# KiCad board BGA_Steuerung_4layer.kicad_pcb
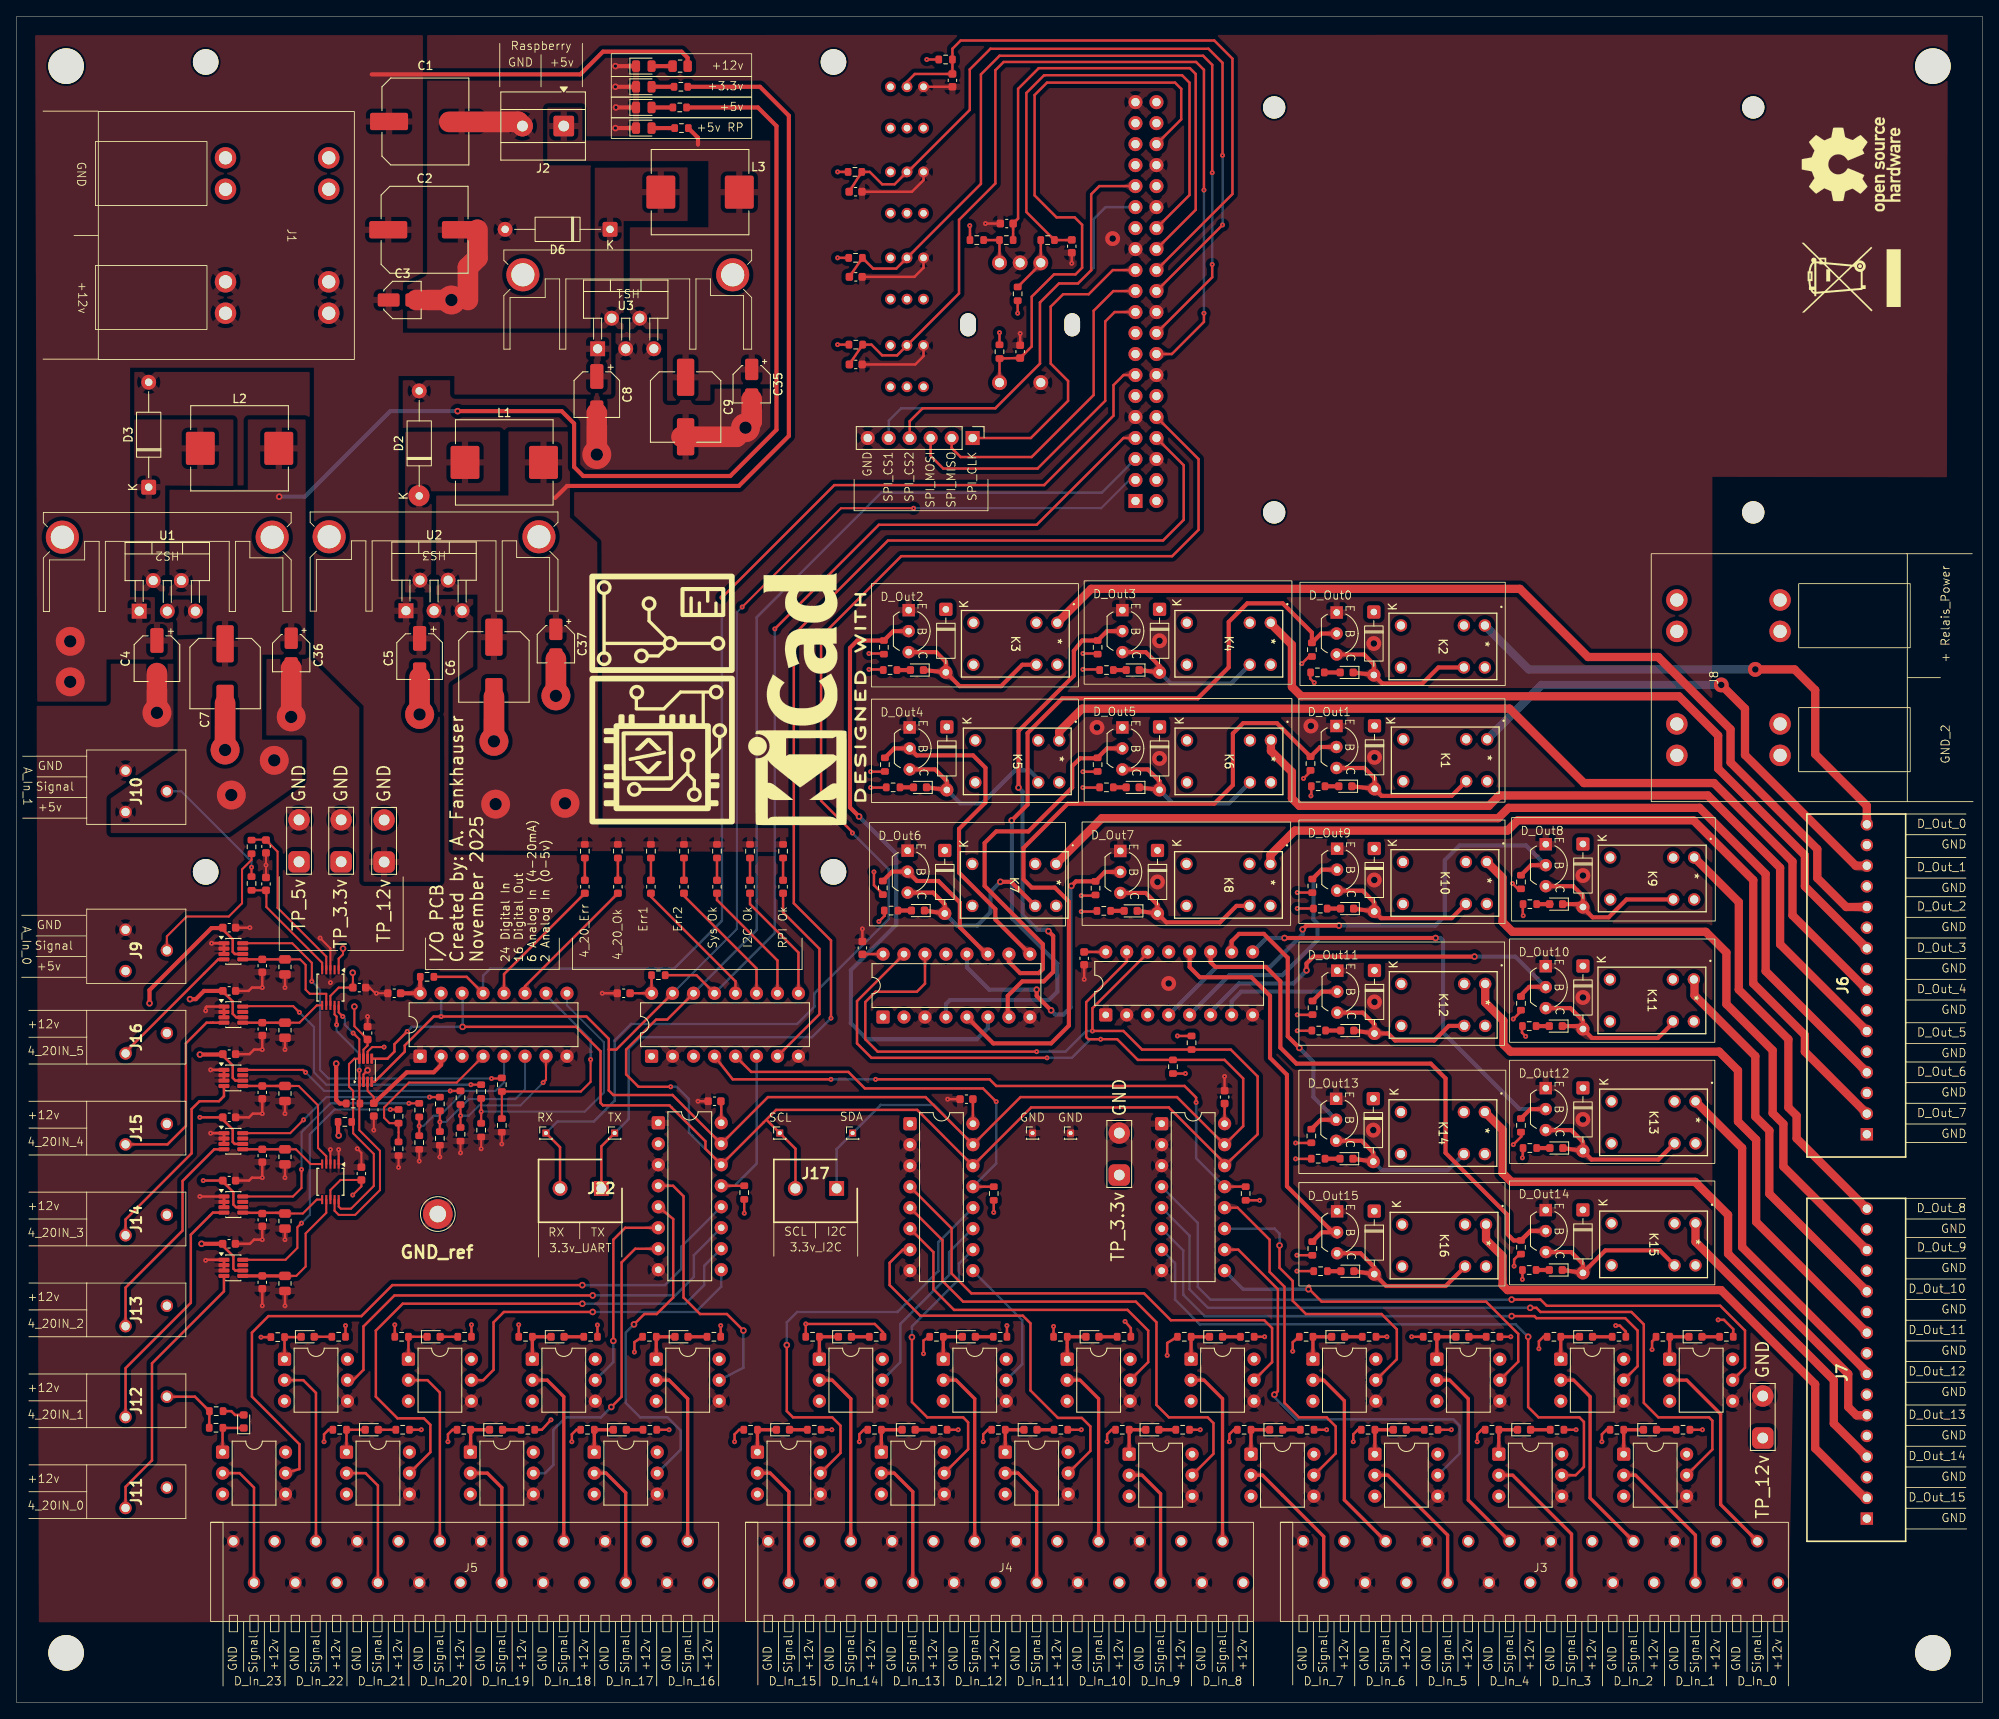
[diagram p0: board, top side]
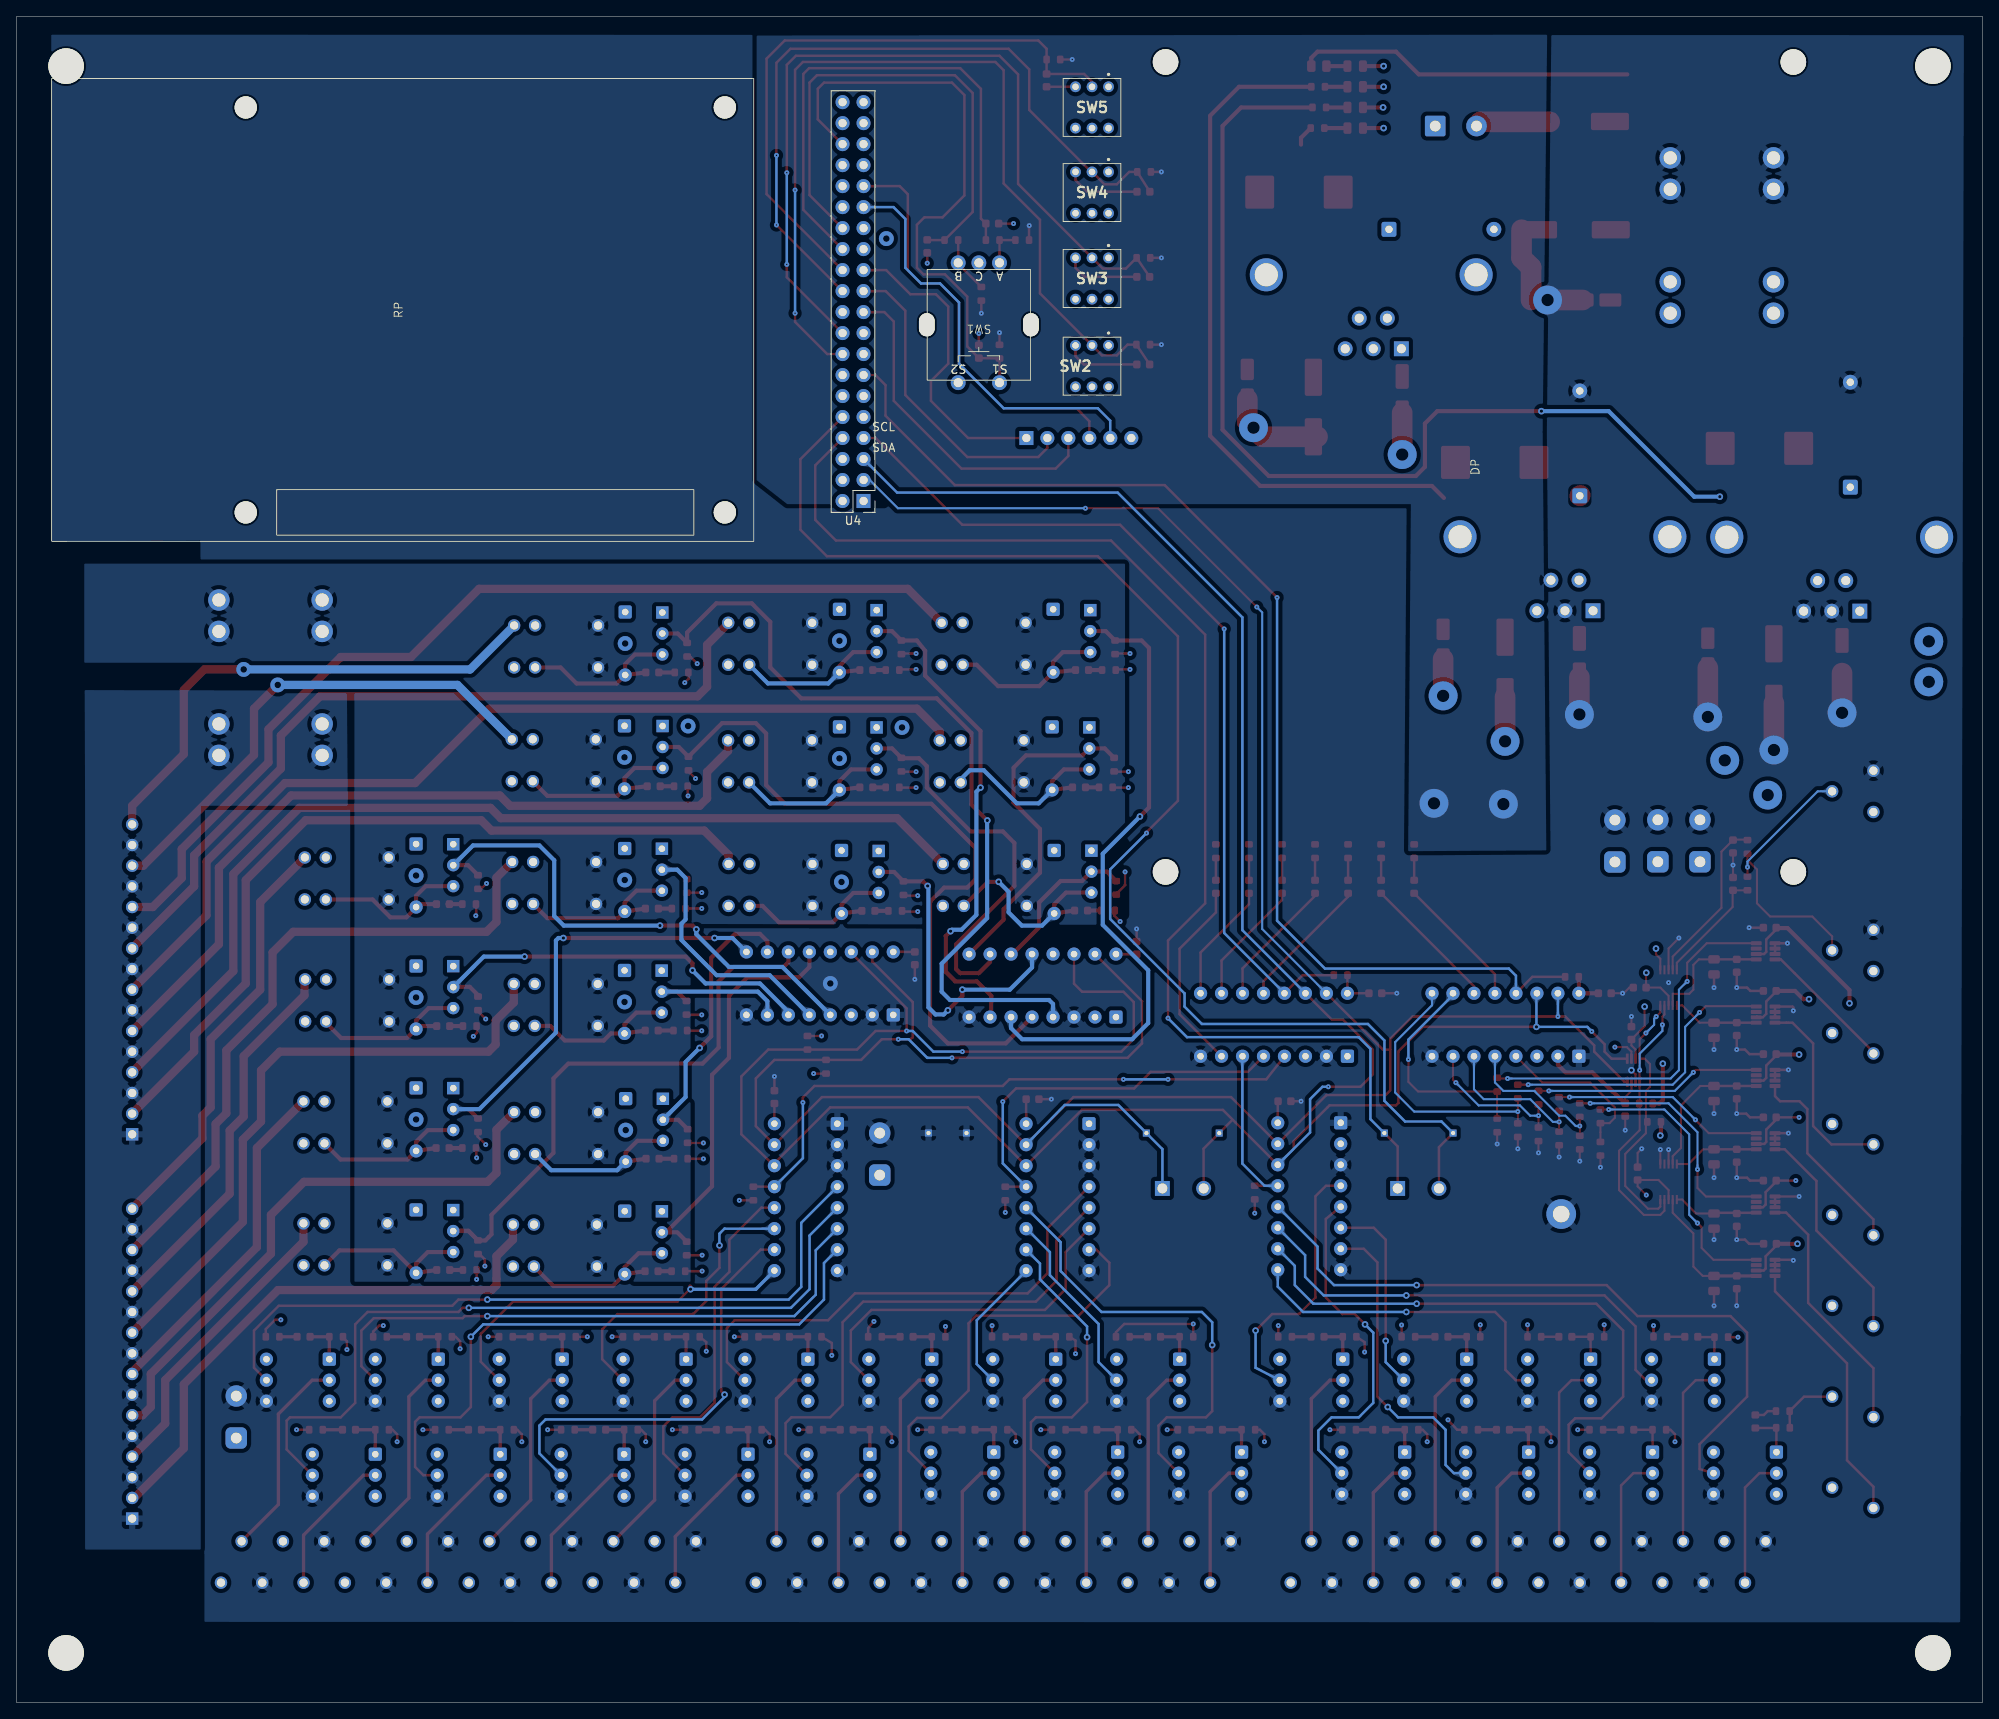
[diagram p1: board, bottom side, seen from below]

Outline 238 x 204 mm; copper layers: Top, In1.Cu, In2.Cu, Bottom. Coordinates in mm from the lower left corner of the outline.
Outline path: rectangle 0,204 238,0
Stack: Top 0.035mm / dielectric 0.01mm FR4 er 4.5 / In1.Cu 0.035mm / dielectric 0.01mm FR4 er 4.5 / In2.Cu 0.035mm / dielectric 0.01mm FR4 er 4.5 / Bottom 0.035mm

## Placement (name value [footprint] x y rotation side)
C1  470uF  [C_Elec_10x10.2]  49.5 191.3 0 top
C2  470uF  [C_Elec_10x10.2]  49.4 178.2 0 top
C3  10uF  [C_Elec_4x5.4]  46.72 169.7 0 top
C4  680uF  [CP_Elec_5x5.4]  17 126.3 270 top
C5  680uF  [CP_Elec_5x5.4]  48.8 126.55 270 top
C6  220uF  [C_Elec_8x10.2]  57.8 125.3 270 top
C7  220uF  [C_Elec_8x10.2]  25.25 124.5 270 top
C8  680uF  [CP_Elec_5x5.4]  70.25 158.25 270 top
C9  220uF  [C_Elec_8x10.2]  81 156.75 270 top
C10  0.1uF  [C_0603_1608Metric]  146.25 73.25 90 top
C11  0.1uF  [C_0603_1608Metric]  115 73 180 top
C12  0.1uF  [C_0603_1608Metric]  84.5 72.75 180 top
C13  0.1uF  [C_0603_1608Metric]  102.4 91.3 90 top
C14  0.1uF  [C_0603_1608Metric]  129.25 90.04 270 top
C15  0.1uF  [C_0603_1608Metric]  73.5 85.81 180 top
C16  0.1uf  [C_0603_1608Metric]  43.25 71.72 90 top
C17  0.1uf  [C_0603_1608Metric]  42.5 81 270 top
C18  0.1uf  [C_0603_1608Metric]  41.5 86.5 180 top
C19  0.1uf  [C_0603_1608Metric]  41.75 64 270 top
C20  0.1uf  [C_0603_1608Metric]  30.2 103.57 90 top
C21  0.1uf  [C_0603_1608Metric]  30.2 99.05 270 top
C22  0.1uf  [C_0603_1608Metric]  29.75 50.84 90 top
C23  0.1uf  [C_0603_1608Metric]  25.73 55.5 180 top
C24  0.1uf  [C_0603_1608Metric]  25.75 63.15 180 top
C25  0.1uf  [C_0603_1608Metric]  29.75 58.39 90 top
C26  0.1uf  [C_0603_1608Metric]  25.75 70.8 180 top
C27  0.1uf  [C_0603_1608Metric]  29.75 66.16 90 top
C28  0.1uf  [C_0603_1608Metric]  25.75 78.45 180 top
C29  0.1uf  [C_0603_1608Metric]  29.75 73.82 90 top
C30  0.1uf  [C_0603_1608Metric]  25.75 86.1 180 top
C31  0.1uf  [C_0603_1608Metric]  29.75 81.48 90 top
C32  0.1uf  [C_0603_1608Metric]  25.75 93.75 180 top
C33  0.1uf  [C_0603_1608Metric]  29.75 89.14 90 top
C34  0.1uF  [C_0603_1608Metric]  45.72 85.81 180 top
C35  100nF  [CP_Elec_4x5.4]  89 159.5 270 top
C36  100nF  [CP_Elec_4x5.4]  33.25 126.97 270 top
C37  100nF  [CP_Elec_4x5.4]  65.3 128.05 270 top
C38  220nF  [C_0603_1608Metric]  121.5 163.45 90 top
C39  10nF  [C_0603_1608Metric]  119.88 178.95 0 top
C40  10nF  [C_0603_1608Metric]  127.75 176.2 90 top
C41  220nF  [C_0603_1608Metric]  101.6 161.9 0 top
C42  220nF  [C_0603_1608Metric]  101.6 172.5 0 top
C43  220nF  [C_0603_1608Metric]  101.57 182.8 0 top
C44  220nF  [C_0603_1608Metric]  113.3 196.28 270 top
D1  LED_Green  [LED_0805_2012Metric]  75.94 198 0 top
D2  1N5824  [D_A-405_P12.70mm_Horizontal]  48.75 146 90 top
D3  1N5824  [D_A-405_P12.70mm_Horizontal]  16 147.05 90 top
D4  LED_Green  [LED_0805_2012Metric]  75.94 193 0 top
D5  LED_Green  [LED_0805_2012Metric]  75.94 195.5 0 top
D6  1N5824  [D_A-405_P12.70mm_Horizontal]  71.85 178.25 180 top
D7  LED_Green  [LED_0805_2012Metric]  75.94 190.5 0 top
D8  LED  [D_0603_1608Metric]  190 44.25 0 top
D9  LED  [D_0603_1608Metric]  182.5 33 0 top
D10  LED  [D_0603_1608Metric]  175.04 44.25 0 top
D11  LED  [D_0603_1608Metric]  203.25 44.25 0 top
D12  LED  [D_0603_1608Metric]  197.75 33 0 top
D13  LED  [D_0603_1608Metric]  167.46 33 0 top
D14  LED  [D_0603_1608Metric]  160 44.25 0 top
D15  LED  [D_0603_1608Metric]  152.5 33 0 top
D16  LED  [D_0603_1608Metric]  145.21 44.25 0 top
D17  LED  [D_0603_1608Metric]  137.5 33 0 top
D18  LED  [D_0603_1608Metric]  130.25 44.25 0 top
D19  LED  [D_0603_1608Metric]  122.75 33 0 top
D20  LED  [D_0603_1608Metric]  115.29 44.25 0 top
D21  LED  [D_0603_1608Metric]  108 33 0 top
D22  LED  [D_0603_1608Metric]  100.29 44.25 0 top
D23  LED  [D_0603_1608Metric]  92.79 33 0 top
D24  LED  [D_0603_1608Metric]  80.5 44.25 0 top
D25  LED  [D_0603_1608Metric]  73.04 33 0 top
D26  LED  [D_0603_1608Metric]  65.5 44.25 0 top
D27  LED  [D_0603_1608Metric]  58.05 33 0 top
D28  LED  [D_0603_1608Metric]  50.5 44.25 0 top
D29  LED  [D_0603_1608Metric]  43 33 0 top
D30  LED  [D_0603_1608Metric]  35.25 44.25 0 top
D31  LED  [D_0603_1608Metric]  27.5 34 90 top
D32  1N4148  [D_DO-35_SOD27_P7.62mm_Horizontal]  164.32 131.95 270 top
D33  1N4148  [D_DO-35_SOD27_P7.62mm_Horizontal]  164.4 118.17 270 top
D34  1N4148  [D_DO-35_SOD27_P7.62mm_Horizontal]  112.5 132.27 270 top
D35  1N4148  [D_DO-35_SOD27_P7.62mm_Horizontal]  138.38 132.27 270 top
D36  1N4148  [D_DO-35_SOD27_P7.62mm_Horizontal]  112.62 118.04 270 top
D37  1N4148  [D_DO-35_SOD27_P7.62mm_Horizontal]  138.38 118.04 270 top
D38  1N4148  [D_DO-35_SOD27_P7.62mm_Horizontal]  112.38 103.09 270 top
D39  1N4148  [D_DO-35_SOD27_P7.62mm_Horizontal]  138.12 103.09 270 top
D40  1N4148  [D_DO-35_SOD27_P7.62mm_Horizontal]  189.63 103.87 270 top
D41  1N4148  [D_DO-35_SOD27_P7.62mm_Horizontal]  164.37 103.33 270 top
D42  1N4148  [D_DO-35_SOD27_P7.62mm_Horizontal]  189.63 89.11 270 top
D43  1N4148  [D_DO-35_SOD27_P7.62mm_Horizontal]  164.39 88.57 270 top
D44  1N4148  [D_DO-35_SOD27_P7.62mm_Horizontal]  189.63 59.6 270 top
D45  1N4148  [D_DO-35_SOD27_P7.62mm_Horizontal]  164.37 59.45 270 top
D46  1N4148  [D_DO-35_SOD27_P7.62mm_Horizontal]  189.63 74.36 270 top
D47  1N4148  [D_DO-35_SOD27_P7.62mm_Horizontal]  164.25 73.07 270 top
D48  LED_Green  [L_0603_1608Metric]  92.8 98.7 90 top
D49  LED_Green  [L_0603_1608Metric]  88.8 98.7 90 top
D50  LED_Green  [L_0603_1608Metric]  84.8 98.7 90 top
D51  LED_Red  [L_0603_1608Metric]  80.8 98.7 90 top
D52  LED_Red  [L_0603_1608Metric]  76.8 98.7 90 top
D53  LED_Green  [L_0603_1608Metric]  72.8 98.7 90 top
D54  LED_Red  [L_0603_1608Metric]  68.8 98.7 90 top
D55  LED  [D_0603_1608Metric]  161.03 124.64 180 top
D56  LED  [D_0603_1608Metric]  109.38 110.73 180 top
D57  LED  [D_0603_1608Metric]  135.12 110.73 180 top
D58  LED  [D_0603_1608Metric]  160.86 110.86 180 top
D59  LED  [D_0603_1608Metric]  109 124.92 180 top
D60  LED  [D_0603_1608Metric]  109.12 95.82 180 top
D61  LED  [D_0603_1608Metric]  134.88 95.78 180 top
D62  LED  [D_0603_1608Metric]  135.12 124.92 180 top
D63  LED  [D_0603_1608Metric]  186.38 96.6 180 top
D64  LED  [D_0603_1608Metric]  186.42 67.09 180 top
D65  LED  [D_0603_1608Metric]  161 65.8 180 top
D66  LED  [D_0603_1608Metric]  161.08 96.06 180 top
D67  LED  [D_0603_1608Metric]  186.34 81.84 180 top
D68  LED  [D_0603_1608Metric]  186.34 52.33 180 top
D69  LED  [D_0603_1608Metric]  161.12 52.18 180 top
D70  LED  [D_0603_1608Metric]  161.11 81.3 180 top
DP  -  [4.3_Display]  60.9 149.5 90 bottom
HS1  Heatsink  [Heatsink_TO-220_V6560W]  74 172.75 180 top
HS2  Heatsink  [Heatsink_TO-220_V6560W]  18.25 141 180 top
HS3  Heatsink  [Heatsink_TO-220_V6560W]  50.55 141.05 180 top
J1  Screw_Terminal_0,5-6,0mm2  [PCB_terminal_block_1932588]  32.05 177.5 270 top
J2  Power_Rasperry  [TerminalBlock_MetzConnect_Type055_RT01502HDWU_1x02_P5.00mm_Horizontal]  66.25 190.75 180 top
J3  Conn_01x24_Socket  [Connector PTSA 24Pos Pitch=2.5mm]  183.75 15.8 0 top
J4  Conn_01x24_Socket  [Connector PTSA 24Pos Pitch=2.5mm]  119 15.8 0 top
J5  Conn_01x24_Socket  [Connector PTSA 24Pos Pitch=2.5mm]  54.25 15.8 0 top
J6  Conn_01x16_Socket  [1989887]  224 68.75 90 top
J7  Conn_01x16_Socket  [1989887]  224 22.25 90 top
J8  Screw_Terminal_0,5-6,0mm2  [PCB_terminal_block_1932588]  206.75 124 90 top
J9  -  [1990012]  14.5 91 270 top
J10  -  [1990012]  14.5 110.25 270 top
J11  -  [1990009]  20.5 24.75 270 top
J12  -  [1990009]  20.5 35.75 270 top
J13  -  [1990009]  20.5 46.75 270 top
J14  -  [1990009]  20.5 57.75 270 top
J15  -  [1990009]  20.5 68.75 270 top
J16  -  [1990009]  20.5 79.75 270 top
J17  Screw_Terminal_01x02  [691137710002]  99.28 62.2 180 top
J18  Conn_01x01_Pin  [PinHeader_1x01_P1.00mm_Vertical]  92.4 68.9 0 top
J19  Conn_01x01_Pin  [PinHeader_1x01_P1.00mm_Vertical]  101.22 68.9 0 top
J20  Conn_01x01_Pin  [PinHeader_1x01_P1.00mm_Vertical]  123 68.9 0 top
J21  Conn_01x01_Pin  [PinHeader_1x01_P1.00mm_Vertical]  127.6 68.9 0 top
J22  Screw_Terminal_01x02  [691137710002]  70.8 62.2 180 top
J23  Conn_01x01_Pin  [PinHeader_1x01_P1.00mm_Vertical]  64.09 68.9 0 top
J24  Conn_01x01_Pin  [PinHeader_1x01_P1.00mm_Vertical]  72.41 68.9 0 top
J25  Conn_01x06_Pin  [PinHeader_1x06_P2.54mm_Vertical]  115.75 153 270 top
K1  AZ9571-1C-12DSE  [RELAY6_AZ9571-1C-12DSE_AMZ]  178.04 116.55 270 top
K2  AZ9571-1C-12DSE  [RELAY6_AZ9571-1C-12DSE_AMZ]  177.76 130.32 270 top
K3  AZ9571-1C-12DSE  [RELAY6_AZ9571-1C-12DSE_AMZ]  126 130.65 270 top
K4  AZ9571-1C-12DSE  [RELAY6_AZ9571-1C-12DSE_AMZ]  151.84 130.65 270 top
K5  AZ9571-1C-12DSE  [RELAY6_AZ9571-1C-12DSE_AMZ]  126.23 116.41 270 top
K6  AZ9571-1C-12DSE  [RELAY6_AZ9571-1C-12DSE_AMZ]  151.86 116.41 270 top
K7  AZ9571-1C-12DSE  [RELAY6_AZ9571-1C-12DSE_AMZ]  125.86 101.47 270 top
K8  AZ9571-1C-12DSE  [RELAY6_AZ9571-1C-12DSE_AMZ]  151.8 101.47 270 top
K9  AZ9571-1C-12DSE  [RELAY6_AZ9571-1C-12DSE_AMZ]  203.1 102.24 270 top
K10  AZ9571-1C-12DSE  [RELAY6_AZ9571-1C-12DSE_AMZ]  178 101.7 270 top
K11  AZ9571-1C-12DSE  [RELAY6_AZ9571-1C-12DSE_AMZ]  203.06 87.49 270 top
K12  AZ9571-1C-12DSE  [RELAY6_AZ9571-1C-12DSE_AMZ]  177.8 86.95 270 top
K13  AZ9571-1C-12DSE  [RELAY6_AZ9571-1C-12DSE_AMZ]  203.26 72.73 270 top
K14  AZ9571-1C-12DSE  [RELAY6_AZ9571-1C-12DSE_AMZ]  177.76 71.44 270 top
K15  AZ9571-1C-12DSE  [RELAY6_AZ9571-1C-12DSE_AMZ]  203.26 57.97 270 top
K16  AZ9571-1C-12DSE  [RELAY6_AZ9571-1C-12DSE_AMZ]  177.9 57.83 270 top
L1  33uH  [L_Chilisin_BMRF00101040]  59.05 150.05 0 top
L2  33uH  [L_Chilisin_BMRF00101040]  27 151.75 0 top
L3  33uH  [L_Chilisin_BMRF00101040]  82.75 182.75 0 top
Q1  2N4401  [TO-92_Inline_Wide_EBC]  159.82 131.89 270 top
Q2  2N4401  [TO-92_Inline_Wide_EBC]  159.79 118.15 270 top
Q3  2N4401  [TO-92_Inline_Wide_EBC]  108 132.17 270 top
Q4  2N4401  [TO-92_Inline_Wide_EBC]  133.88 132.17 270 top
Q5  2N4401  [TO-92_Inline_Wide_EBC]  108.12 117.98 270 top
Q6  2N4401  [TO-92_Inline_Wide_EBC]  133.88 117.98 270 top
Q7  2N4401  [TO-92_Inline_Wide_EBC]  107.88 103.07 270 top
Q8  2N4401  [TO-92_Inline_Wide_EBC]  133.62 103.03 270 top
Q9  2N4401  [TO-92_Inline_Wide_EBC]  185.13 103.85 270 top
Q10  2N4401  [TO-92_Inline_Wide_EBC]  159.87 103.31 270 top
Q11  2N4401  [TO-92_Inline_Wide_EBC]  185.13 89.09 270 top
Q12  2N4401  [TO-92_Inline_Wide_EBC]  159.89 88.55 270 top
Q13  2N4401  [TO-92_Inline_Wide_EBC]  185.13 59.58 270 top
Q14  2N4401  [TO-92_Inline_Wide_EBC]  159.87 59.43 270 top
Q15  2N4401  [TO-92_Inline_Wide_EBC]  185.13 74.34 270 top
Q16  2N4401  [TO-92_Inline_Wide_EBC]  159.75 73.05 270 top
R1  500  [R_0805_2012Metric]  80.34 198 180 top
R2  150  [R_0603_1608Metric]  80.29 193 180 top
R3  75  [R_0603_1608Metric]  80.42 195.5 180 top
R4  150  [R_0603_1608Metric]  80.5 190.5 180 top
R5  4.7k  [R_0603_1608Metric]  140 76.93 90 top
R6  4.7k  [R_0603_1608Metric]  142.25 79.82 270 top
R7  510  [R_0603_1608Metric]  194 44.25 180 top
R8  1k  [R_0603_1608Metric]  186.12 44.25 0 top
R9  510  [R_0603_1608Metric]  186.5 33 180 top
R10  1k  [R_0603_1608Metric]  178.62 33 0 top
R11  510  [R_0603_1608Metric]  178.75 44.25 180 top
R12  1k  [R_0603_1608Metric]  171.12 44.25 0 top
R13  510  [R_0603_1608Metric]  207 44.25 180 top
R14  1k  [R_0603_1608Metric]  199.31 44.25 0 top
R15  510  [R_0603_1608Metric]  201.75 33 180 top
R16  1k  [R_0603_1608Metric]  193.74 33 0 top
R17  510  [R_0603_1608Metric]  171.25 33 180 top
R18  1k  [R_0603_1608Metric]  163.62 33 0 top
R19  510  [R_0603_1608Metric]  163.75 44.25 180 top
R20  1k  [R_0603_1608Metric]  156.12 44.25 0 top
R21  510  [R_0603_1608Metric]  156.25 33 180 top
R22  1k  [R_0603_1608Metric]  148.62 33 0 top
R23  510  [R_0603_1608Metric]  149 44.25 180 top
R24  510  [R_0603_1608Metric]  141.18 33 180 top
R25  510  [R_0603_1608Metric]  134.07 44.25 180 top
R26  510  [R_0603_1608Metric]  126.43 33 180 top
R27  510  [R_0603_1608Metric]  119.07 44.25 180 top
R28  510  [R_0603_1608Metric]  111.82 33 180 top
R29  1k  [R_0603_1608Metric]  141.37 44.25 0 top
R30  1k  [R_0603_1608Metric]  133.87 33 0 top
R31  1k  [R_0603_1608Metric]  126.37 44.25 0 top
R32  1k  [R_0603_1608Metric]  118.87 33 0 top
R33  1k  [R_0603_1608Metric]  111.37 44.25 0 top
R34  1k  [R_0603_1608Metric]  103.87 33 0 top
R35  510  [R_0603_1608Metric]  104.07 44.25 180 top
R36  510  [R_0603_1608Metric]  96.57 33 180 top
R37  1k  [R_0603_1608Metric]  96.37 44.25 0 top
R38  1k  [R_0603_1608Metric]  88.87 33 0 top
R39  510  [R_0603_1608Metric]  84.42 44.25 180 top
R40  510  [R_0603_1608Metric]  76.67 33 180 top
R41  510  [R_0603_1608Metric]  69.5 44.25 180 top
R42  510  [R_0603_1608Metric]  61.9 33 180 top
R43  510  [R_0603_1608Metric]  54.25 44.25 180 top
R44  510  [R_0603_1608Metric]  46.75 33 180 top
R45  1k  [R_0603_1608Metric]  76.62 44.25 0 top
R46  1k  [R_0603_1608Metric]  69.12 33 0 top
R47  1k  [R_0603_1608Metric]  61.62 44.25 0 top
R48  1k  [R_0603_1608Metric]  54.15 33 0 top
R49  1k  [R_0603_1608Metric]  46.62 44.25 0 top
R50  1k  [R_0603_1608Metric]  39.12 33 0 top
R51  510  [R_0603_1608Metric]  39 44.25 180 top
R52  510  [R_0603_1608Metric]  24.17 35.25 0 top
R53  1k  [R_0603_1608Metric]  31.62 44.21 0 top
R54  1k  [R_0603_1608Metric]  24.15 33.24 0 top
R55  2k  [R_0603_1608Metric]  156.82 127.39 90 top
R56  2k  [R_0603_1608Metric]  156.65 113.61 90 top
R57  2k  [R_0603_1608Metric]  105 127.67 90 top
R58  2k  [R_0603_1608Metric]  130.88 127.67 90 top
R59  2k  [R_0603_1608Metric]  105.12 113.48 90 top
R60  2k  [R_0603_1608Metric]  130.88 113.48 90 top
R61  2k  [R_0603_1608Metric]  104.88 98.57 90 top
R62  2k  [R_0603_1608Metric]  130.62 98.53 90 top
R63  2k  [R_0603_1608Metric]  182.13 99.28 90 top
R64  2k  [R_0603_1608Metric]  156.87 98.81 90 top
R65  2k  [R_0603_1608Metric]  182.13 84.59 90 top
R66  2k  [R_0603_1608Metric]  156.89 84.05 90 top
R67  2k  [R_0603_1608Metric]  182.13 55.08 90 top
R68  2k  [R_0603_1608Metric]  156.87 54.93 90 top
R69  2k  [R_0603_1608Metric]  182.13 69.84 90 top
R70  2k  [R_0603_1608Metric]  156.75 68.55 90 top
R71  200  [R_0603_1608Metric]  92.8 103.01 270 top
R72  200  [R_0603_1608Metric]  88.8 103.01 270 top
R73  200  [R_0603_1608Metric]  84.8 103.01 270 top
R74  200  [R_0603_1608Metric]  80.8 103.01 270 top
R75  200  [R_0603_1608Metric]  76.8 103.01 270 top
R77  4.7k  [R_0603_1608Metric]  39.75 70.25 180 top
R78  4.7k  [R_0603_1608Metric]  40.75 72.47 180 top
R79  250  [R_0805_2012Metric]  32.5 50.7 270 top
R80  4.7k  [R_0603_1608Metric]  46.25 70.93 270 top
R81  1.8k  [R_0603_1608Metric]  46.25 67 270 top
R82  250  [R_0805_2012Metric]  32.5 58.25 270 top
R83  4.7k  [R_0603_1608Metric]  48.75 71.68 270 top
R84  250  [R_0805_2012Metric]  32.5 66.02 270 top
R85  1k  [R_0603_1608Metric]  28.45 103.53 90 top
R86  1k  [R_0603_1608Metric]  28.45 99.1 270 top
R87  1.8k  [R_0603_1608Metric]  48.75 67.75 270 top
R88  250  [R_0805_2012Metric]  32.5 73.68 270 top
R89  4.7k  [R_0603_1608Metric]  51.25 72.43 270 top
R90  250  [R_0805_2012Metric]  32.5 81.34 270 top
R91  1.8k  [R_0603_1608Metric]  51.25 68.25 270 top
R92  250  [R_0805_2012Metric]  32.5 89 270 top
R93  4.7k  [R_0603_1608Metric]  58.75 74.75 270 top
R94  1.8k  [R_0603_1608Metric]  58.75 69.82 270 top
R95  4.7k  [R_0603_1608Metric]  56.25 73.93 270 top
R96  1.8k  [R_0603_1608Metric]  56.25 69.25 270 top
R97  4.7k  [R_0603_1608Metric]  53.75 73.18 270 top
R98  1.8k  [R_0603_1608Metric]  53.75 68.75 270 top
R99  200  [R_0603_1608Metric]  72.8 103.01 270 top
R100  200  [R_0603_1608Metric]  68.8 103.01 270 top
R101  510  [R_0603_1608Metric]  157.49 124.64 0 top
R102  510  [R_0603_1608Metric]  106.12 110.73 0 top
R103  510  [R_0603_1608Metric]  131.95 110.73 0 top
R104  510  [R_0603_1608Metric]  157.58 110.86 0 top
R105  510  [R_0603_1608Metric]  105.75 124.92 0 top
R106  510  [R_0603_1608Metric]  105.88 95.82 0 top
R107  510  [R_0603_1608Metric]  131.62 95.78 0 top
R108  510  [R_0603_1608Metric]  131.95 124.92 0 top
R109  510  [R_0603_1608Metric]  183.21 96.6 0 top
R110  510  [R_0603_1608Metric]  183.21 67.09 0 top
R111  510  [R_0603_1608Metric]  157.58 65.8 0 top
R112  510  [R_0603_1608Metric]  157.84 96.06 0 top
R113  510  [R_0603_1608Metric]  183.13 81.84 0 top
R114  510  [R_0603_1608Metric]  183.13 52.33 0 top
R115  510  [R_0603_1608Metric]  157.87 52.18 0 top
R116  510  [R_0603_1608Metric]  157.64 81.3 0 top
R117  10k  [R_0603_1608Metric]  101.57 174.8 0 top
R118  10k  [R_0603_1608Metric]  116.25 176.95 0 top
R119  10k  [R_0603_1608Metric]  119.82 176.95 0 top
R120  10k  [R_0603_1608Metric]  121.2 170.45 90 top
R121  10k  [R_0603_1608Metric]  124.82 176.95 180 top
R122  10k  [R_0603_1608Metric]  119 163.45 90 top
R123  10k  [R_0603_1608Metric]  101.6 164.3 0 top
R124  10k  [R_0603_1608Metric]  101.5 185.2 0 top
R125  10k  [R_0603_1608Metric]  112.47 198.8 0 top
R126  10k  [R_0603_1608Metric]  148.8 61.59 270 top
R127  10k  [R_0603_1608Metric]  118.3 61.59 270 top
R128  10k  [R_0603_1608Metric]  88.1 61.7 270 top
R129  10k  [R_0603_1608Metric]  77.7 88 180 top
R130  10k  [R_0603_1608Metric]  49.7 87.8 180 top
REF**  -  [MountingHole_4.3mm_M4_DIN965]  6 6 0 top
REF**#2  -  [TestPoint_2Pads_Pitch5.08mm_Drill1.3mm]  211.4 32 90 top
REF**#3  -  [TestPoint_Loop_D3.80mm_Drill2.0mm]  51 59.1 0 top
REF**#4  -  [MountingHole_4.3mm_M4_DIN965]  232 6 0 top
REF**#5  -  [MountingHole_4.3mm_M4_DIN965]  6 198 0 top
REF**#6  -  [LogoOwnPCB]  77.73 120.21 90 top
REF**#7  -  [TestPoint_2Pads_Pitch5.08mm_Drill1.3mm]  39.3 101.72 90 top
REF**#8  -  [TestPoint_2Pads_Pitch5.08mm_Drill1.3mm]  133.5 63.82 90 top
REF**#9  -  [WEEE-Logo_8.4x12mm_SilkScreen]  222.1 172.4 90 top
REF**#10  -  [KiCad-Logo2_12mm_SilkScreen]  94.5 121.4 90 top
REF**#11  -  [OSHW-Logo_11.4x12mm_SilkScreen]  222.09 186.1 90 top
REF**#12  -  [TestPoint_2Pads_Pitch5.08mm_Drill1.3mm]  34.2 101.72 90 top
REF**#13  -  [TestPoint_2Pads_Pitch5.08mm_Drill1.3mm]  44.5 101.7 90 top
REF**#14  -  [MountingHole_4.3mm_M4_DIN965]  232 198 0 top